# Altium PCB Final decision V5.PcbDoc (part 2 of 2)
Units mm, origin at the board's own origin, x right, y up, seen from the top; angles counter-clockwise.
Board outline 75 x 61 mm, 4 copper layers (Top Layer, Layer 1, Layer 2, Bottom Layer), stack 0.603 mm thick; 176 components, 139 nets, 675 pads, 230 vias.
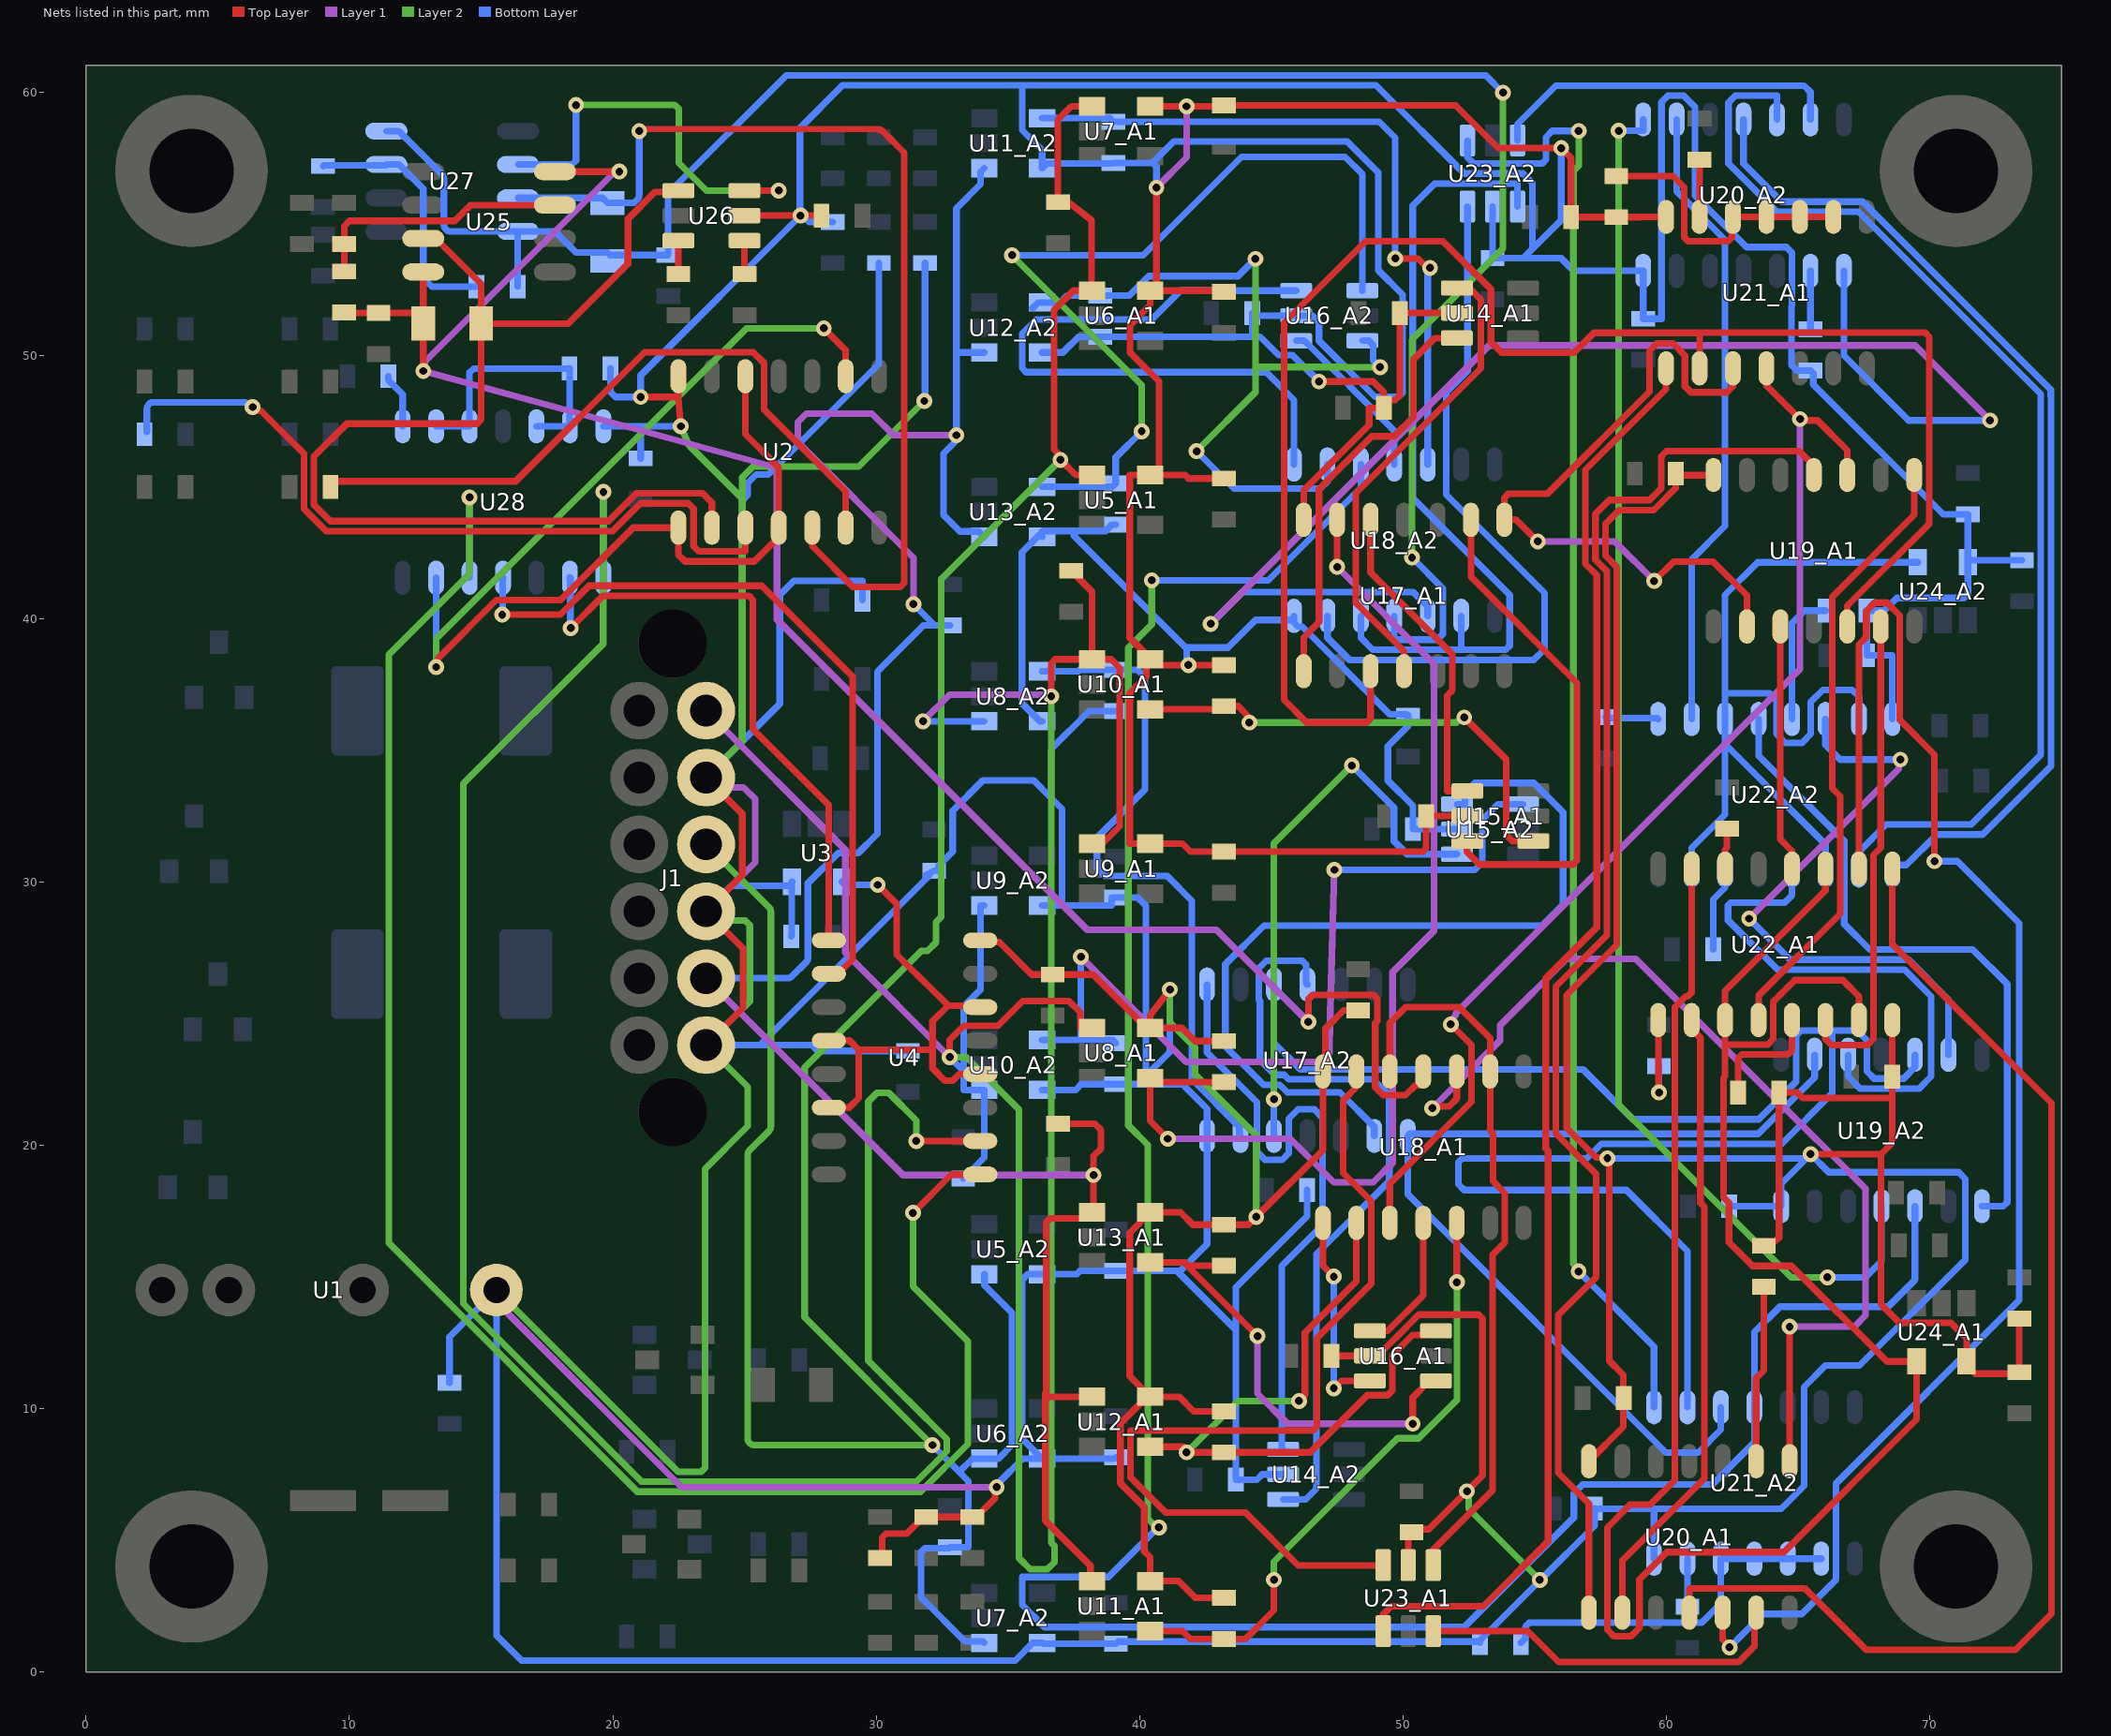
[diagram p4: the nets of this part, all layers, seen from the top]

## Via types
v1: diameter 0.6, hole 0.3, Top Layer to Bottom Layer, tented both sides, 230 vias

## Nets (pads, with @x,y where several pads share a name; then routed paths per layer and width w, separated by ;. In a path a pad name is that pad's centre, name@x,y a point inside that pad or via, vN(x,y) a via of type N, cw(c..) or ccw(c..) an arc to the next point about the centre after c; other vN are vias at no path point) (continued)
NetR27_A1_1: R27_A1.1 U8_A1.4 U17_A1.13 | length 41.6
  Top Layer w0.254: v1(41.072,20.244) 40.4,20.916 U8_A1.4@40.4,22.55 40.557,22.393 R27_A1.1@43.2,22.393 ; v1(47.5,41.959) U17_A1.13@47.5,43.75
  Layer 1 w0.254: v1(41.072,20.244) 45.718,20.244 47.371,18.591 48.87,18.591 49.606,19.327 49.606,26.568 51.173,28.135 51.173,38.286 v1(47.5,41.959)
NetR27_A2_1: R27_A2.1 U8_A2.4 U17_A2.13 | length 26.6
  Bottom Layer w0.254: U8_A2.4@36.3,38 37.668,38 37.714,38.046 R27_A2.1@39.1,38.046 39.929,38.046 40.208,37.767 40.208,33.503 38.379,31.674 38.379,30.531 38.684,30.226 41.046,30.226 41.986,29.286 41.986,22.504 U17_A2.13@43.79,20.701 ; U17_A2.13@43.83,20.35 U17_A2.13@43.79,20.35 ; U17_A2.13@43.79,20.35 U17_A2.13@43.79,20.701 ; U17_A2.13@43.79,20.35 U17_A2.13@43.79,20.701 ; U17_A2.13@43.79,20.35 U17_A2.13@43.79,20.701
NetR28_A1_1: R28_A1.1 U10_A1.4 U15_A1.1 | length 18.7
  Top Layer w0.254: U10_A1.4@40.4,36.55 43.079,36.55 R28_A1.1@43.2,36.671 43.739,36.671 44.098,36.312 44.098,36.117 v1(44.164,36.051) ; v1(52.324,36.246) 53.924,34.646 53.924,31.779 54.153,31.55 U15_A1.1@54.955,31.55
  Layer 2 w0.254: v1(44.164,36.051) 52.035,36.051 52.23,36.246 v1(52.324,36.246)
NetR28_A2_1: R28_A2.1 U10_A2.4 U15_A2.1 | length 33.5
  Layer 1 w0.254: v1(37.77,27.153) 41.758,23.165 47.185,23.165 v1(47.396,30.455)
  Bottom Layer w0.254: U10_A2.4@36.3,24 37.621,24 38.979,24 R28_A2.1@39.1,23.879 ; 37.77,24 v1(37.77,27.153) ; v1(47.396,30.455) 52.73,30.455 53.01,30.734 53.01,32.36 53.6,32.95 U15_A2.1@54.555,32.95
NetR29_A1_1: R29_A1.1 U12_A1.4 U16_A1.3 U18_A1.2 | length 27.1
  Top Layer w0.254: U12_A1.4@40.4,8.55 v1@41.681,8.55 ; v1(41.783,8.336) v1@41.895,8.336 ; v1(46.05,10.287) 46.279,10.516 46.279,12.878 48.23,14.829 U18_A1.2@48.23,17.05 ; U16_A1.3@51.255,12.95 51.092,12.787 50.364,12.787 49.602,12.025 49.602,10.698 49.412,10.508 48.646,10.508 46.474,8.336 R29_A1.1@43.2,8.336 v1@41.895,8.336 ; v1@41.681,8.55 v1@41.895,8.336 ; v1@41.681,8.55 v1@41.895,8.336 ; v1@41.681,8.55 v1@41.895,8.336
  Layer 2 w0.254: v1(41.783,8.336) 43.734,10.287 v1(46.05,10.287)
NetR29_A2_1: R29_A2.1 U12_A2.4 U16_A2.3 U18_A2.2 | length 29.9
  Layer 2 w0.254: v1(42.163,46.356) 44.395,48.588 44.395,49.547 ; v1(44.395,53.658) 44.395,49.547 ; v1(49.131,49.547) 47.778,49.547 47.777,49.549 44.397,49.549 44.395,49.547
  Bottom Layer w0.254: U12_A2.4@35.927,51.777 36.15,52 36.982,52 37.245,52.263 R29_A2.1@38.5,52.263 39.609,52.263 40.347,53 43.737,53 v1(44.395,53.658) ; v1(42.163,46.356) 43.586,44.933 46.851,44.933 47.13,45.212 U18_A2.2@47.13,45.85 ; U16_A2.3@48.455,50.55 48.698,50.55 48.861,50.387 48.861,49.818 v1(49.131,49.547)
NetR30_A1_1: R30_A1.1 U11_A1.4 U18_A1.5 | length 23.3
  Top Layer w0.254: U11_A1.4@40.4,1.55 41.631,1.55 41.928,1.253 R30_A1.1@43.2,1.253 44.018,1.253 45.1,2.334 v1(45.1,3.5) ; U18_A1.5@52.04,17.05 52.04,14.833 v1@52.044,14.829
  Layer 2 w0.254: v1(45.1,3.5) 45.1,4.181 49.791,8.871 50.597,8.871 52.044,10.319 v1(52.044,14.795)
NetR30_A2_1: R30_A2.1 U11_A2.4 U18_A2.5 | length 27.4
  Top Layer w0.254: v1(49.708,53.67) 50.579,53.67 50.935,53.315 v1(51.029,53.315) v1@50.962,53.381
  Bottom Layer w0.254: U11_A2.4@36.3,59 37.346,59 38.863,59 R30_A2.1@39,58.863 49.098,58.863 49.708,58.253 v1(49.708,53.67) ; U18_A2.5@50.94,45.85 50.94,53.226 v1(51.029,53.315)
NetR31_A1_1: R31_A1.1 U13_A1.4 U16_A1.1 | length 17.5
  Top Layer w0.254: U13_A1.4@40.4,15.55 41.676,15.55 ; R31_A1.1@43.2,15.42 41.862,15.42 41.732,15.55 41.676,15.55 ; v1(44.475,12.751) 41.676,15.55 ; v1(50.368,9.423) 50.368,10.415 51.003,11.05 U16_A1.1@51.255,11.05
  Layer 1 w0.254: v1(44.475,12.751) 44.475,10.566 45.618,9.423 v1(50.368,9.423)
NetR31_A2_1: R31_A2.1 U13_A2.4 U16_A2.1 | length 44.4
  Layer 2 w0.254: v1(35.154,53.797) 40.08,48.871 v1(40.08,47.11)
  Bottom Layer w0.254: v1(35.154,53.797) 40.132,53.797 43.866,57.531 47.803,57.531 48.463,56.871 ; U13_A2.4@36.3,45 38.97,45 R31_A2.1@39.1,45.13 ; v1(40.08,47.11) 39.091,46.12 ; U16_A2.1@48.455,52.45 U16_A2.1@48.463,52.45 ; R31_A2.1@39.091,45.13 39.091,46.12 ; R31_A2.1@39.091,45.13 39.091,46.12 ; R31_A2.1@39.091,45.13 39.091,46.12 ; U16_A2.1@48.463,52.45 48.463,56.871 ; U16_A2.1@48.463,52.45 48.463,56.871 ; U16_A2.1@48.463,52.45 48.463,56.871
NetR32_A1_1: R32_A1.1 U20_A1.9 | length 6.7
  Top Layer w0.254: U20_A1.9@63.41,8 63.41,11.151 63.7,11.441 R32_A1.1@63.7,14.62
NetR32_A2_1: R32_A2.1 U20_A2.9 | length 2.2
  Bottom Layer w0.254: R32_A2.1@65.47,50.98 U20_A2.9@65.47,53.2
NetR33_A1_1: R33_A1.1 U22_A1.14 | length 1.5
  Top Layer w0.254: U22_A1.14@62.23,30.5 62.23,31.217 62.3,31.287 R33_A1.1@62.3,32.02
NetR33_A2_1: R33_A2.1 U22_A2.14 | length 3.2
  Bottom Layer w0.254: R33_A2.1@61.78,27.435 61.78,29.334 62.23,29.784 U22_A2.14@62.23,30.435
NetR34_A1_2: R34_A1.2 U22_A1.5 | length 4.6
  Top Layer w0.254: R34_A1.2@62.72,22 62.72,23.297 62.869,23.446 64.621,23.446 64.77,23.595 U22_A1.5@64.77,24.75
NetR34_A2_2: R34_A2.2 U22_A2.5 | length 5.1
  Bottom Layer w0.254: U22_A2.5@64.77,36.185 64.77,39.825 65.245,40.3 R34_A2.2@66.04,40.3
NetR35_A1_2: R35_A1.2 U21_A1.9 U21_A1.10 U21_A1.11 U21_A1.12 | length 11.2
  Top Layer w0.254: R35_A1.2@58.1,56.8 60.249,56.8 60.681,56.368 60.681,54.479 60.829,54.331 62.347,54.331 62.496,54.479 62.496,55.215 U21_A1.12@62.53,55.25 U21_A1.11@63.8,55.25 U21_A1.10@65.07,55.25 U21_A1.9@66.34,55.25
NetR35_A2_2: R35_A2.2 U21_A2.9 U21_A2.10 U21_A2.11 U21_A2.12 | length 14
  Bottom Layer w0.254: R35_A2.2@54.48,1.1 54.645,1.265 54.645,1.716 54.794,1.864 61.337,1.864 62.07,2.597 U21_A2.12@62.07,4.3 U21_A2.11@63.34,4.3 U21_A2.10@64.61,4.3 U21_A2.9@65.88,4.3
NetR36_A1_1: R36_A1.1 U21_A1.13 | length 2.2
  Top Layer w0.254: U21_A1.13@61.26,55.25 R36_A1.1@61.26,57.42
NetR36_A2_1: R36_A2.1 U21_A2.13 | length 1.8
  Bottom Layer w0.254: R36_A2.1@60.8,2.48 60.8,3.378 U21_A2.13@60.8,4.3
NetR45_2: R45.2 R46.1 U25.7 | length 10.1
  Top Layer w0.254: R45.2@9.8,53.18 R46.1@9.8,54.22 9.8,54.9 10,55.1 14,55.1 14.6,55.7 U25.7@17.8,55.7
NetR48_A1_1: R48_A1.1 U22_A1.1 | length 3.8
  Top Layer w0.254: U22_A1.1@59.69,24.75 59.705,24.735 59.705,22.015 v1(59.72,22)
  Bottom Layer w0.254: v1(59.72,22) R48_A1.1@59.72,23.005
NetR48_A2_1: R48_A2.1 U22_A2.1 | length 2
  Bottom Layer w0.254: R48_A2.1@57.7,36.255 57.735,36.22 59.655,36.22 U22_A2.1@59.69,36.185
NetR49_2: R49.2 R50.1 U27.7 | length 9.8
  Bottom Layer w0.254: R50.1@9,57.18 9.03,57.21 11.37,57.21 U27.7@11.4,57.24 11.875,57.24 12.8,56.315 12.8,52.928 13.128,52.6 R49.2@14.82,52.6
NetR52_2: R52.2 U26.3 | length 1.3
  Top Layer w0.254: R52.2@22.49,53.08 U26.3@22.49,54.35
NetR53_1: R53.1 U26.4 | length 1.3
  Top Layer w0.254: R53.1@25,53.08 U26.4@25,54.35
NetR54_2: R54.2 U28.9 U28.10 U28.12 U28.13 | length 10.6
  Bottom Layer w0.254: U28.9@13.29,47.3 U28.10@14.56,47.3 14.56,49.341 14.709,49.49 18.34,49.49 R54.2@18.35,49.5 18.36,49.49 18.36,47.31 U28.13@18.37,47.3 U28.12@17.1,47.3
NetR55_1: R55.1 U28.8 | length 2.1
  Bottom Layer w0.254: R55.1@11.48,49.205 11.48,49.055 12.02,48.515 U28.8@12.02,47.3
NetU2_1: U2.1 U2.4 U2.9 U2.12 U28.6 | length 49.7
  Top Layer w0.254: v1(13.29,38.156) 13.356,38.222 13.356,38.483 15.571,40.698 18.016,40.698 20.768,43.45 U2.1@22.49,43.45 22.49,42.419 22.743,42.166 25.366,42.166 26.3,43.1 U2.4@26.3,43.45 26.3,45.723 25.03,46.993 U2.12@25.03,49.2 ; v1(28.011,51.02) 28.84,50.19 U2.9@28.84,49.2
  Layer 2 w0.254: v1(13.29,38.156) 13.29,39.234 25.076,51.02 v1(28.011,51.02)
  Bottom Layer w0.254: v1(13.29,38.156) U28.6@13.29,41.55
NetU4_1: U4.1 U28.5 | length 72.1
  Top Layer w0.254: v1(31.394,17.429) 32.855,18.89 U4.1@33.95,18.89
  Layer 2 w0.254: v1(14.56,44.6) 14.56,41.7 11.5,38.64 11.5,16.273 20.931,6.842 31.679,6.842 33.479,8.642 33.479,12.55 31.394,14.636 v1(31.394,17.429)
  Bottom Layer w0.254: U28.5@14.56,41.55 v1(14.56,44.6)
NetU4_2: U4.2 U28.1 | length 78.1
  Top Layer w0.254: v1(31.521,20.16) U4.2@33.95,20.16
  Layer 2 w0.254: v1(19.64,44.803) 19.634,44.797 19.634,39.04 14.328,33.734 14.328,13.981 21.088,7.221 31.522,7.221 32.683,8.382 32.683,8.839 31.197,10.325 31.185,10.325 29.699,11.811 29.699,21.659 30.023,21.982 30.48,21.982 31.521,20.941 v1(31.521,20.16)
  Bottom Layer w0.254: U28.1@19.64,41.55 v1(19.64,44.803) v1@19.674,44.838
NetU4_9: U4.9 U28.2 | length 23.5
  Top Layer w0.254: v1(18.4,39.636) 19.631,40.867 25.161,40.867 25.31,40.718 25.31,35.807 28.2,32.917 U4.9@28.2,27.78
  Bottom Layer w0.254: U28.2@18.37,41.55 18.385,41.535 18.385,39.651 v1(18.4,39.636)
NetU4_10: U4.10 U28.4 | length 28.5
  Top Layer w0.254: v1(15.8,40.146) 18,40.146 19.099,41.246 25.651,41.246 29.102,37.795 29.102,27.062 28.55,26.51 U4.10@28.2,26.51
  Bottom Layer w0.254: v1(15.8,40.146) 15.815,40.161 15.815,41.535 U28.4@15.83,41.55
NetU14_A1_4: U14_A1.4 U17_A1.4 | length 17.9
  Top Layer w0.254: U17_A1.4@50.04,38 50.04,38.758 48.209,40.589 48.209,44.755 52.959,49.505 52.959,52.114 52.523,52.55 U14_A1.4@52.045,52.55
NetU14_A1_6: U14_A1.6 U17_A1.1 | length 16
  Top Layer w0.254: U17_A1.1@46.23,38 46.23,39.281 46.812,39.863 46.812,44.915 48.813,46.916 49.659,46.916 50.394,47.65 50.394,49.835 51.209,50.65 U14_A1.6@52.045,50.65
NetU14_A2_4: U14_A2.4 U17_A2.4 | length 29.2
  Bottom Layer w0.254: U14_A2.4@45.445,6.55 46.304,6.55 46.711,6.956 46.711,15.866 49.479,18.635 49.479,21.895 48.87,22.504 45.655,22.504 45.486,22.673 45.126,22.673 44.569,23.231 44.569,25.476 44.526,25.519 44.526,26.721 44.807,27.002 46.169,27.002 46.318,26.853 46.318,26.152 U17_A2.4@46.37,26.1
NetU14_A2_6: U14_A2.6 U17_A2.1 | length 38.6
  Bottom Layer w0.254: U17_A2.1@42.56,26.1 42.56,23.521 44.45,21.631 44.45,19.761 44.763,19.448 45.415,19.448 45.669,19.702 45.669,21.006 46.025,21.361 46.634,21.361 46.939,21.057 46.939,16.957 45.398,15.416 ; U14_A2.6@45.445,8.45 U14_A2.6@45.398,8.45 ; U14_A2.6@45.398,8.45 45.398,15.416 ; U14_A2.6@45.398,8.45 45.398,15.416 ; U14_A2.6@45.398,8.45 45.398,15.416
NetU15_A1_4: U15_A1.4 U17_A1.12 | length 12.4
  Top Layer w0.254: U17_A1.12@48.77,43.75 48.77,41.756 51.867,38.659 51.867,37.262 51.672,37.067 51.672,33.45 U15_A1.4@52.445,33.45
NetU15_A1_6: U15_A1.6 U17_A1.9 | length 20.3
  Top Layer w0.254: U15_A1.6@52.445,31.55 U15_A1.6@52.426,31.55 ; U17_A1.9@52.58,43.75 52.58,41.58 56.603,37.557 56.603,30.807 56.454,30.658 52.908,30.658 52.426,31.14 ; 52.426,31.14 U15_A1.6@52.426,31.55 ; 52.426,31.14 U15_A1.6@52.426,31.55 ; 52.426,31.14 U15_A1.6@52.426,31.55
NetU15_A2_4: U15_A2.4 U17_A2.12 | length 21.4
  Layer 2 w0.254: v1(45.1,21.742) 45.1,31.46 v1(48.057,34.417)
  Bottom Layer w0.254: U17_A2.12@45.1,20.35 v1(45.1,21.742) ; v1(48.057,34.417) 49.657,32.817 49.657,31.547 50.154,31.05 U15_A2.4@52.045,31.05
NetU15_A2_6: U15_A2.6 U17_A2.9 | length 33.6
  Bottom Layer w0.254: U17_A2.9@48.91,20.35 48.91,20.701 47.601,22.01 45.613,22.01 45.329,22.294 44.713,22.294 43.256,23.751 43.256,26.873 44.719,28.336 55.282,28.336 56.081,29.134 56.081,32.642 54.966,33.757 52.73,33.757 52.349,33.376 ; U15_A2.6@52.045,32.95 U15_A2.6@52.349,32.95 ; U15_A2.6@52.349,32.95 52.349,33.376 ; U15_A2.6@52.349,32.95 52.349,33.376 ; U15_A2.6@52.349,32.95 52.349,33.376
NetU16_A1_4: U16_A1.4 U18_A1.4 | length 5.3
  Top Layer w0.254: U16_A1.4@48.745,12.95 49.422,12.95 50.77,14.298 U18_A1.4@50.77,17.05
NetU16_A1_6: U16_A1.6 U18_A1.1 | length 7.9
  Top Layer w0.254: U18_A1.1@46.96,17.05 46.96,15.422 v1(47.371,15.011) ; v1(47.371,10.77) 47.651,11.05 U16_A1.6@48.745,11.05
  Bottom Layer w0.254: v1(47.371,10.77) v1(47.371,15.011)
NetU16_A2_4: U16_A2.4 U18_A2.4 | length 6.4
  Bottom Layer w0.254: U16_A2.4@45.945,50.55 46.253,50.55 49.67,47.133 U18_A2.4@49.67,45.85
NetU16_A2_6: U16_A2.6 U18_A2.1 | length 25.7
  Bottom Layer w0.254: U18_A2.1@45.86,45.85 45.86,48.298 44.806,49.352 35.697,49.352 35.548,49.501 35.548,50.823 36.084,51.359 40.465,51.359 41.556,52.45 U16_A2.6@45.945,52.45
NetU18_A1_9: U18_A1.9 U18_A1.12 U23_A1.4 | length 27.7
  Top Layer w0.254: U18_A1.12@49.5,22.8 49.5,24.638 50.101,25.239 52.129,25.239 53.31,24.058 U18_A1.9@53.31,22.8 53.31,20.553 53.416,20.447 53.416,18.632 53.862,18.186 53.862,16.307 53.4,15.845 53.4,6.898 51.15,4.648 U23_A1.4@51.15,4.055
NetU18_A1_10: U18_A1.10 U20_A1.8 | length 37.8
  Top Layer w0.254: v1(51.11,21.405) 51.176,21.472 51.743,21.472 52.04,21.769 U18_A1.10@52.04,22.8 ; U20_A1.8@64.68,8 v1(64.68,13.106)
  Layer 1 w0.254: v1(51.11,21.405) 53.693,23.989 53.693,24.559 56.21,27.076 58.839,27.076 65.704,20.212 65.706,20.212 66.03,19.888 66.03,19.886 67.564,18.351 67.564,13.538 67.132,13.106 v1(64.68,13.106)
NetU18_A1_13: U18_A1.13 U23_A1.6 | length 41.4
  Top Layer w0.254: U18_A1.13@48.23,22.8 48.23,22.2 47.727,21.696 47.727,18.948 48.793,17.882 48.793,14.738 46.728,12.673 46.728,9.318 46.579,9.169 39.648,9.169 39.648,7.391 40.994,6.045 44.018,6.045 46.025,4.039 ; U23_A1.6@49.25,4.055 U23_A1.6@49.25,4.039 ; 46.025,4.039 U23_A1.6@49.25,4.039 ; 46.025,4.039 U23_A1.6@49.25,4.039 ; 46.025,4.039 U23_A1.6@49.25,4.039
NetU18_A2_9: U18_A2.9 U18_A2.12 U23_A2.4 | length 31.4
  Bottom Layer w0.254: U18_A2.12@48.4,40.1 48.4,39.268 48.849,38.819 53.902,38.819 54.051,38.968 54.051,40.894 50.368,44.577 50.368,55.677 51.206,56.515 54.35,56.515 U23_A2.4@54.35,55.645 ; 52.21,38.837 U18_A2.9@52.21,40.1
NetU18_A2_10: U18_A2.10 U20_A2.8 | length 54.2
  Layer 1 w0.254: v1(42.7,39.8) 53.268,50.368 69.444,50.368 v1(72.288,47.523)
  Bottom Layer w0.254: v1(42.7,39.8) 43.902,41.002 50.388,41.002 50.94,40.45 U18_A2.10@50.94,40.1 ; U20_A2.8@66.74,53.2 66.74,49.985 69.202,47.523 v1(72.288,47.523)
NetU18_A2_13: U18_A2.13 U23_A2.6 | length 28.3
  Bottom Layer w0.254: U18_A2.13@47.13,40.1 47.13,39.268 47.968,38.43 54.966,38.43 55.372,38.837 55.372,40.97 51.638,44.704 51.638,48.59 52.45,49.402 U23_A2.6@52.45,55.645
NetU19_A1_3: U19_A1.3 U22_A1.12 | length 9.4
  Top Layer w0.254: U19_A1.3@64.33,39.7 64.33,31.606 64.77,31.166 U22_A1.12@64.77,30.5
NetU19_A1_6: U19_A1.6 U22_A1.6 | length 18.5
  Top Layer w0.254: U22_A1.6@66.04,24.75 66.04,24.028 66.269,23.8 67.64,23.8 67.869,24.028 67.869,31.022 68.14,31.293 U19_A1.6@68.14,39.7
NetU19_A1_8: U19_A1.8 U22_A1.4 | length 23.4
  Top Layer w0.254: U22_A1.4@63.5,24.75 63.5,25.679 66.599,28.778 66.599,33.249 66.294,33.553 66.294,40.818 69.41,43.934 U19_A1.8@69.41,45.45
NetU19_A1_11: U19_A1.11 U20_A1.1 | length 55
  Top Layer w0.254: U20_A1.1@57.06,2.25 57.06,6.389 55.89,7.559 55.89,13.546 57.328,14.984 57.328,18.908 55.8,20.435 55.8,26.031 57.74,27.971 57.74,41.797 57.306,42.231 57.306,43.969 57.834,44.497 59.363,44.497 59.806,44.94 59.806,46.154 60.004,46.352 65.044,46.352 65.6,45.796 U19_A1.11@65.6,45.45
NetU19_A2_3: U19_A2.3 U22_A2.12 | length 20.4
  Bottom Layer w0.254: U22_A2.12@64.77,30.435 64.77,29.488 64.492,29.21 62.441,29.21 62.34,29.108 62.34,28.544 64.212,26.672 69.033,26.672 70.053,25.651 70.053,22.606 69.596,22.149 67.357,22.149 66.9,22.606 U19_A2.3@66.9,23.435
NetU19_A2_6: U19_A2.6 U22_A2.6 | length 23.4
  Layer 1 w0.254: v1(63.14,28.605) 68.819,34.284 68.819,34.579 v1(68.885,34.646)
  Bottom Layer w0.254: v1(63.14,28.605) 64.694,27.051 69.19,27.051 70.71,25.531 U19_A2.6@70.71,23.435 ; U22_A2.6@66.04,36.185 66.04,35.204 66.599,34.646 v1(68.885,34.646)
NetU19_A2_8: U19_A2.8 U22_A2.4 | length 25.6
  Bottom Layer w0.254: U22_A2.4@63.5,36.185 63.5,34.798 66.751,31.547 66.751,28.397 67.716,27.432 71.628,27.432 72.94,26.12 72.94,17.834 72.791,17.685 U19_A2.8@71.98,17.685
NetU19_A2_11: U19_A2.11 U20_A2.1 | length 55.2
  Layer 2 w0.254: v1(58.191,58.522) 58.191,21.532 64.737,14.986 v1(66.116,14.986)
  Bottom Layer w0.254: U20_A2.1@59.12,58.95 U20_A2.1@59.12,58.522 ; v1(66.116,14.986) 67.564,14.986 68.17,15.592 U19_A2.11@68.17,17.685 ; v1(58.191,58.522) U20_A2.1@59.12,58.522 ; v1(58.191,58.522) U20_A2.1@59.12,58.522 ; v1(58.191,58.522) U20_A2.1@59.12,58.522
NetU20_A1_2: U20_A1.2 U22_A1.2 | length 24
  Top Layer w0.254: U20_A1.2@58.33,2.25 58.33,4.225 61.445,7.34 61.445,17.666 61.292,17.819 61.292,24.078 60.96,24.41 U22_A1.2@60.96,24.75
NetU20_A1_4: U20_A1.4 U22_A1.9 | length 47
  Top Layer w0.254: U20_A1.4@60.87,2.25 60.87,3.175 65.253,3.175 67.589,0.838 73.254,0.838 74.623,2.208 74.623,21.592 68.58,27.635 U22_A1.9@68.58,30.5
NetU20_A1_5: U20_A1.5 U22_A1.10 | length 59.9
  Top Layer w0.254: U20_A1.5@62.14,2.25 62.137,2.247 62.137,1.238 62.4,0.975 v1(62.4,0.929) ; U22_A1.10@67.31,30.5 67.31,39.009 67.588,39.287 67.588,40.279 67.911,40.602 68.369,40.602 68.858,40.113 68.858,36.156 70.178,34.835 v1(70.178,30.785)
  Bottom Layer w0.254: v1(62.4,0.929) 62.909,1.438 63.669,2.198 65.139,2.198 66.446,3.505 66.446,7.163 73.4,14.116 73.4,28.429 71.044,30.785 v1(70.178,30.785)
NetU20_A1_6: U20_A1.6 U23_A1.3 | length 21.4
  Top Layer w0.254: U23_A1.3@51.15,1.545 U23_A1.3@51.15,1.549 ; U20_A1.6@63.41,2.25 63.344,2.184 63.344,0.974 62.746,0.377 55.909,0.377 54.737,1.549 ; U23_A1.3@51.15,1.549 54.737,1.549 ; U23_A1.3@51.15,1.549 54.737,1.549 ; U23_A1.3@51.15,1.549 54.737,1.549
NetU20_A2_2: U20_A2.2 U22_A2.2 | length 24.1
  Bottom Layer w0.254: U20_A2.2@60.39,58.95 60.39,56.221 62.23,54.381 62.23,43.513 60.96,42.243 U22_A2.2@60.96,36.185
NetU20_A2_4: U20_A2.4 U22_A2.9 | length 38.9
  Bottom Layer w0.254: U20_A2.4@62.93,58.95 62.93,57.277 64.378,55.829 67.457,55.829 74.598,48.688 74.598,48.435 74.6,48.433 74.6,34.392 72.008,31.8 70.272,31.8 69.112,30.64 68.74,30.64 68.58,30.48 U22_A2.9@68.58,30.435
NetU20_A2_5: U20_A2.5 U22_A2.10 | length 43.5
  Bottom Layer w0.254: U20_A2.5@64.2,58.95 64.2,59.852 62.621,59.852 62.357,59.588 62.357,57.282 64.189,55.45 67.3,55.45 74.219,48.531 74.219,34.823 71.574,32.179 68.349,32.179 67.31,31.14 U22_A2.10@67.31,30.435
NetU20_A2_6: U20_A2.6 U23_A2.3 | length 13.5
  Bottom Layer w0.254: U23_A2.3@54.35,58.155 54.35,58.776 55.805,60.231 65.234,60.231 65.47,59.995 U20_A2.6@65.47,58.95
NetU21_A1_1: U21_A1.1 U23_A1.1 | length 54.9
  Top Layer w0.254: U23_A1.1@49.25,1.545 49.25,2.184 49.555,2.489 53.046,2.489 55.511,4.954 55.511,19.782 55.421,19.873 55.421,26.338 57.361,28.278 57.361,41.64 56.927,42.074 56.927,45.647 59.983,48.702 59.983,49.493 U21_A1.1@59.99,49.5
NetU21_A2_1: U21_A2.1 U23_A2.1 | length 55.8
  Layer 2 w0.254: v1(56.667,15.207) 56.667,15.301 56.471,15.497 56.471,57.003 56.669,57.201 v1(56.669,58.513)
  Bottom Layer w0.254: U23_A2.1@52.45,58.155 52.45,57.507 52.684,57.273 55.279,57.273 55.428,57.422 55.428,58.277 55.663,58.513 v1(56.669,58.513) ; v1(56.667,15.207) 59.53,12.344 U21_A2.1@59.53,10.05
RED_1: R47.2 U2.2 U25.3 U26.1 | length 44.3
  Top Layer w0.254: U25.3@12.8,54.43 13.275,54.43 15,52.705 R47.2@15,51.2 ; U26.1@22.49,56.25 22.44,56.2 21.6,56.2 20.574,55.174 20.574,53.474 18.3,51.2 R47.2@15,51.2 ; U2.2@23.76,43.45 23.76,44.397 23.404,44.753 20.893,44.753 19.84,43.7 9.27,43.7 8.651,44.319 8.651,46.151 9.9,47.4 14.851,47.4 15,47.549 R47.2@15,51.2